# KiCad board EOutside.kicad_pcb (continued)
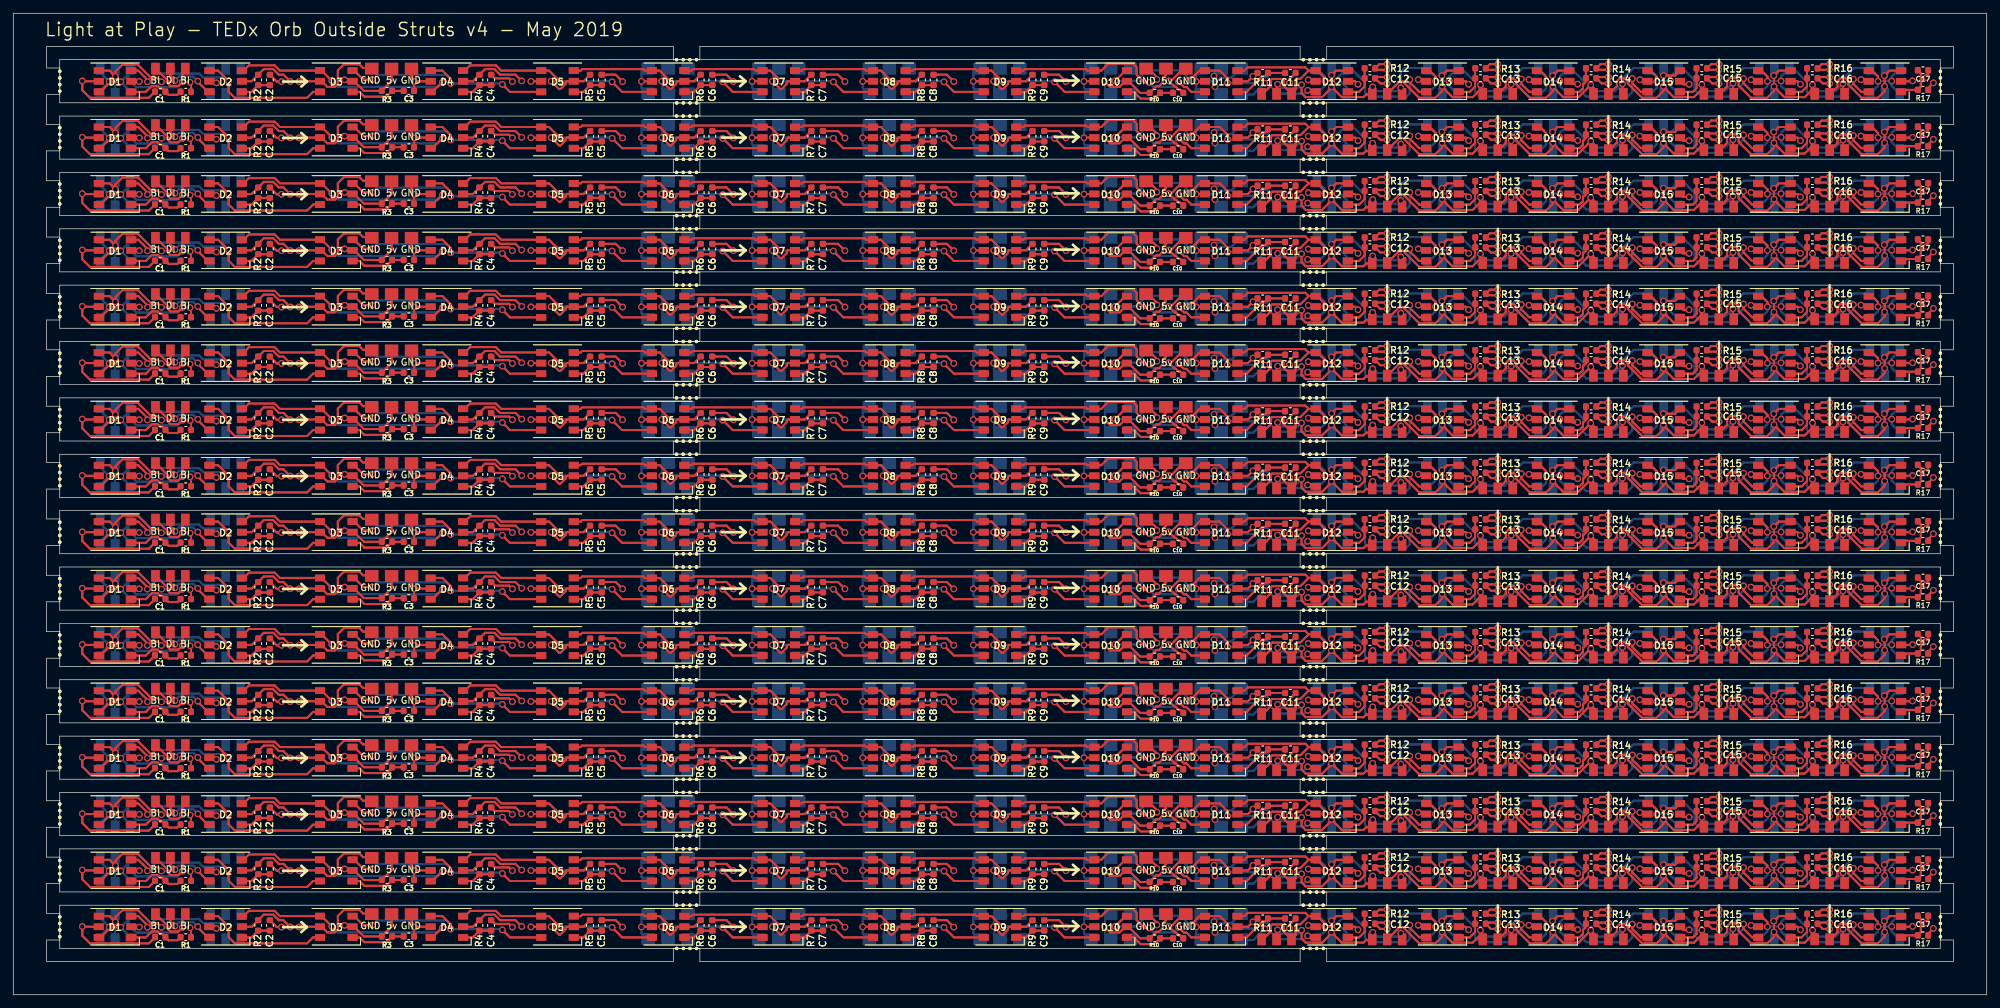
[diagram p0: board, top side]
## Routing (per net, layer and track width the routed paths; a pad name or vN(x,y) marks a point on that pad's centre or on a via; arc(x,y) is an arc through that point) (continued)
; 214.29,36.46 213.39,37.35 ; 213.39,37.35 D13#30.4 213.39,37.35 ; 228.42,8.65 227.2,9.87 ; 228.42,8.65 227.2,9.87 ; 228.42,8.65 D14#29.6 228.42,8.65 ; 227.2,9.87 v1(227.2,10.58) 227.2,9.87 ; 228.42,17.15 D14#26.6 228.42,17.15 ; 228.42,17.15 227.2,18.37 ; 228.42,17.15 227.2,18.37 ; 227.2,18.37 v1(227.2,19.08) 227.2,18.37 ; 203.83,16.75 203.42,16.35 ; 203.83,16.75 204.75,16.75 ; 203.83,16.75 204.75,16.75 ; 203.83,16.75 203.42,16.35 ; 203.42,16.35 200.17,16.35 ; 203.42,16.35 200.17,16.35 ; 194.72,16.35 197.2,16.35 ; 194.72,16.35 194.1,16.97 ; 194.72,16.35 197.2,16.35 ; 194.72,16.35 194.1,16.97 ; 197.2,16.35 198.6,17.75 ; 197.2,16.35 198.6,17.75 ; 198.6,17.75 v1(198.6,17.92) ; 198.6,17.75 v1(198.6,17.92) ; v1(198.6,17.92) 199.1,17.42 ; v1(198.6,17.92) 199.1,17.42 ; 194.1,16.97 v1(194.1,18.23) 194.1,16.97 ; 190.33,18.13 v1(190.5,18.3) 190.33,18.13 ; 190.33,18.13 190.33,16.75 190.33,18.13 ; D12#25.3 201.37,20.35 D12#25.3 ; D12#25.3 199.31,20.35 ; D12#25.3 199.31,20.35 ; 199.31,20.35 199.12,20.16 ; 199.31,20.35 199.12,20.16 ; 199.12,20.16 v1(198.62,19.66) 199.12,20.16 ; 204.75,16.75 204.75,17.84 ; 204.75,16.75 204.75,17.84 ; 200.17,16.35 199.1,17.42 ; 200.17,16.35 199.1,17.42 ; 209.05,17.06 v1(209.05,17.76) 209.05,17.06 ; 209.05,17.06 209.05,16.95 ; 209.05,17.06 209.05,16.95 ; 209.05,16.95 209.25,16.75 209.05,16.95 ; 204.75,17.84 v1(204.81,17.9) 204.75,17.84 ; 214.29,19.46 213.39,20.35 ; 214.29,19.46 v1(214.29,18.75) 214.29,19.46 ; 214.29,19.46 213.39,20.35 ; 213.39,20.35 D13#26.4 213.39,20.35 ; 213.13,130.85 213.13,130.76 213.13,130.85 ; 213.13,122.35 213.13,122.26 213.13,122.35 ; 213.13,113.85 213.13,113.76 213.13,113.85 ; 213.13,139.35 213.13,139.26 213.13,139.35 ; 213.13,105.35 213.13,105.26 213.13,105.35 ; 213.13,96.85 213.13,96.76 213.13,96.85 ; 213.13,79.85 213.13,79.76 213.13,79.85 ; 213.13,88.35 213.13,88.26 213.13,88.35 ; 213.13,71.35 213.13,71.26 213.13,71.35 ; 213.13,62.85 213.13,62.76 213.13,62.85 ; 213.13,45.85 213.13,45.76 213.13,45.85 ; 213.13,54.35 213.13,54.26 213.13,54.35 ; 213.13,28.85 213.13,28.76 213.13,28.85 ; 213.13,11.85 213.13,11.76 213.13,11.85 ; 213.13,37.35 213.13,37.26 213.13,37.35 ; 213.13,20.35 213.13,20.26 213.13,20.35
  Bottom w0.3: 198.67,128.35 v1(198.6,128.42) ; 198.67,128.35 198.67,127.25 198.67,128.35 ; 198.67,128.35 v1(198.6,128.42) ; v1(198.6,128.42) 198.62,128.44 ; v1(198.6,128.42) 198.62,128.44 ; v1(198.62,130.16) 198.62,128.44 ; v1(198.62,130.16) 198.67,130.21 ; v1(198.62,130.16) 198.67,130.21 ; v1(198.62,130.16) 198.62,128.44 ; 193.6,128.23 v1(194.1,128.73) 193.6,128.23 ; 193.6,128.23 191.07,128.23 ; 193.6,128.23 191.07,128.23 ; 191.07,128.23 191,128.3 ; 191.07,128.23 191,128.3 ; 191,128.3 v1(190.5,128.8) 191,128.3 ; 198.67,130.21 198.67,131.3 198.67,130.21 ; 209.65,131.25 209.05,130.65 ; 209.65,131.25 213.08,131.25 209.65,131.25 ; 209.65,131.25 209.05,130.65 ; 209.05,130.65 v1(209.05,128.26) ; 209.05,130.65 v1(209.05,128.26) ; 205.45,127.76 208.55,127.76 ; 205.45,127.76 v1(204.81,128.4) 205.45,127.76 ; 205.45,127.76 208.55,127.76 ; 208.55,127.76 v1(209.05,128.26) ; 208.55,127.76 v1(209.05,128.26) ; 214.29,128.55 J9#35.2 214.29,128.55 ; 214.29,128.55 v1(214.29,129.25) ; 214.29,128.55 v1(214.29,129.25) ; v1(214.29,129.25) 214.33,129.29 ; v1(214.29,129.25) 214.29,129.95 ; v1(214.29,129.25) 214.29,129.95 ; v1(214.29,129.25) 214.33,129.29 ; 214.33,129.29 v1(216.35,129.29) ; 214.33,129.29 v1(216.35,129.29) ; v1(216.35,129.29) 216.35,129.97 ; v1(216.35,129.29) 216.35,128.53 ; v1(216.35,129.29) 216.35,128.53 ; v1(216.35,129.29) 216.35,129.97 ; 216.35,129.97 217.53,131.15 216.35,129.97 ; 216.35,128.53 217.53,127.35 216.35,128.53 ; 214.29,129.95 J9#36.2 214.29,129.95 ; 220.25,127.67 220.99,126.93 ; 220.25,127.67 220.25,129.11 ; 220.25,127.67 220.25,129.11 ; 220.25,127.67 220.99,126.93 ; 220.99,126.93 225.26,126.93 ; 220.99,126.93 225.26,126.93 ; 227.2,128.87 v1(227.2,129.58) 227.2,128.87 ; 227.2,128.87 225.26,126.93 ; 227.2,128.87 225.26,126.93 ; 218.06,131.3 217.58,131.3 218.06,131.3 ; 218.06,131.3 220.25,129.11 ; 218.06,131.3 220.25,129.11 ; 198.67,119.85 v1(198.6,119.92) ; 198.67,119.85 198.67,118.75 198.67,119.85 ; 198.67,119.85 v1(198.6,119.92) ; v1(198.6,119.92) 198.62,119.94 ; v1(198.6,119.92) 198.62,119.94 ; v1(198.62,121.66) 198.62,119.94 ; v1(198.62,121.66) 198.67,121.71 ; v1(198.62,121.66) 198.62,119.94 ; v1(198.62,121.66) 198.67,121.71 ; 193.6,119.73 v1(194.1,120.23) 193.6,119.73 ; 193.6,119.73 191.07,119.73 ; 193.6,119.73 191.07,119.73 ; 191.07,119.73 191,119.8 ; 191.07,119.73 191,119.8 ; 191,119.8 v1(190.5,120.3) 191,119.8 ; 198.67,121.71 198.67,122.8 198.67,121.71 ; 209.65,122.75 209.05,122.15 ; 209.65,122.75 213.08,122.75 209.65,122.75 ; 209.65,122.75 209.05,122.15 ; 209.05,122.15 v1(209.05,119.76) ; 209.05,122.15 v1(209.05,119.76) ; 205.45,119.26 208.55,119.26 ; 205.45,119.26 v1(204.81,119.9) 205.45,119.26 ; 205.45,119.26 208.55,119.26 ; 208.55,119.26 v1(209.05,119.76) ; 208.55,119.26 v1(209.05,119.76) ; 214.29,120.05 J9#37.2 214.29,120.05 ; 214.29,120.05 v1(214.29,120.75) ; 214.29,120.05 v1(214.29,120.75) ; v1(214.29,120.75) 214.33,120.79 ; v1(214.29,120.75) 214.29,121.45 ; v1(214.29,120.75) 214.29,121.45 ; v1(214.29,120.75) 214.33,120.79 ; 214.33,120.79 v1(216.35,120.79) ; 214.33,120.79 v1(216.35,120.79) ; v1(216.35,120.79) 216.35,121.47 ; v1(216.35,120.79) 216.35,120.03 ; v1(216.35,120.79) 216.35,121.47 ; v1(216.35,120.79) 216.35,120.03 ; 216.35,121.47 217.53,122.65 216.35,121.47 ; 216.35,120.03 217.53,118.85 216.35,120.03 ; 214.29,121.45 J9#39.2 214.29,121.45 ; 220.25,119.17 220.99,118.43 ; 220.25,119.17 220.25,120.61 ; 220.25,119.17 220.99,118.43 ; 220.25,119.17 220.25,120.61 ; 220.99,118.43 225.26,118.43 ; 220.99,118.43 225.26,118.43 ; 227.2,120.37 v1(227.2,121.08) 227.2,120.37 ; 227.2,120.37 225.26,118.43 ; 227.2,120.37 225.26,118.43 ; 218.06,122.8 217.58,122.8 218.06,122.8 ; 218.06,122.8 220.25,120.61 ; 218.06,122.8 220.25,120.61 ; 220.25,112.11 220.25,110.67 ; 220.25,112.11 218.06,114.3 ; 220.25,112.11 220.25,110.67 ; 220.25,112.11 218.06,114.3 ; 220.25,110.67 220.99,109.93 ; 220.25,110.67 220.99,109.93 ; 220.99,109.93 225.26,109.93 ; 220.99,109.93 225.26,109.93 ; 225.26,109.93 227.2,111.87 ; 225.26,109.93 227.2,111.87 ; 218.06,114.3 217.58,114.3 218.06,114.3 ; v1(214.29,112.25) 214.29,112.95 ; v1(214.29,112.25) 214.33,112.29 ; v1(214.29,112.25) 214.29,111.55 ; v1(214.29,112.25) 214.33,112.29 ; v1(214.29,112.25) 214.29,111.55 ; v1(214.29,112.25) 214.29,112.95 ; 214.29,112.95 J9#40.2 214.29,112.95 ; 227.2,111.87 v1(227.2,112.58) 227.2,111.87 ; 198.67,111.35 v1(198.6,111.42) ; 198.67,111.35 198.67,110.25 198.67,111.35 ; 198.67,111.35 v1(198.6,111.42) ; v1(198.6,111.42) 198.62,111.44 ; v1(198.6,111.42) 198.62,111.44 ; v1(216.35,112.29) 216.35,111.53 ; v1(216.35,112.29) 216.35,112.97 ; v1(216.35,112.29) 214.33,112.29 ; v1(216.35,112.29) 216.35,111.53 ; v1(216.35,112.29) 216.35,112.97 ; v1(216.35,112.29) 214.33,112.29 ; 216.35,111.53 217.53,110.35 216.35,111.53 ; 216.35,112.97 217.53,114.15 216.35,112.97 ; 214.29,111.55 J9#38.2 214.29,111.55 ; 209.05,113.65 v1(209.05,111.26) ; 209.05,113.65 209.65,114.25 ; 209.05,113.65 v1(209.05,111.26) ; 209.05,113.65 209.65,114.25 ; v1(209.05,111.26) 208.55,110.76 ; v1(209.05,111.26) 208.55,110.76 ; 209.65,114.25 213.08,114.25 209.65,114.25 ; 205.45,110.76 208.55,110.76 ; 205.45,110.76 v1(204.81,111.4) 205.45,110.76 ; 205.45,110.76 208.55,110.76 ; 198.67,113.21 198.67,114.3 198.67,113.21 ; 198.67,113.21 v1(198.62,113.16) ; 198.67,113.21 v1(198.62,113.16) ; v1(198.62,113.16) 198.62,111.44 ; v1(198.62,113.16) 198.62,111.44 ; 191.07,111.23 191,111.3 ; 191.07,111.23 193.6,111.23 ; 191.07,111.23 191,111.3 ; 191.07,111.23 193.6,111.23 ; 191,111.3 v1(190.5,111.8) 191,111.3 ; 193.6,111.23 v1(194.1,111.73) 193.6,111.23 ; 198.67,136.85 v1(198.6,136.92) ; 198.67,136.85 198.67,135.75 198.67,136.85 ; 198.67,136.85 v1(198.6,136.92) ; v1(198.6,136.92) 198.62,136.94 ; v1(198.6,136.92) 198.62,136.94 ; v1(198.62,138.66) 198.62,136.94 ; v1(198.62,138.66) 198.67,138.71 ; v1(198.62,138.66) 198.62,136.94 ; v1(198.62,138.66) 198.67,138.71 ; 193.6,136.73 v1(194.1,137.23) 193.6,136.73 ; 193.6,136.73 191.07,136.73 ; 193.6,136.73 191.07,136.73 ; 191.07,136.73 191,136.8 ; 191.07,136.73 191,136.8 ; 191,136.8 v1(190.5,137.3) 191,136.8 ; 198.67,138.71 198.67,139.8 198.67,138.71 ; 209.65,139.75 209.05,139.15 ; 209.65,139.75 213.08,139.75 209.65,139.75 ; 209.65,139.75 209.05,139.15 ; 209.05,139.15 v1(209.05,136.76) ; 209.05,139.15 v1(209.05,136.76) ; 205.45,136.26 208.55,136.26 ; 205.45,136.26 v1(204.81,136.9) 205.45,136.26 ; 205.45,136.26 208.55,136.26 ; 208.55,136.26 v1(209.05,136.76) ; 208.55,136.26 v1(209.05,136.76) ; 214.29,137.05 J9#34.2 214.29,137.05 ; 214.29,137.05 v1(214.29,137.75) ; 214.29,137.05 v1(214.29,137.75) ; v1(214.29,137.75) 214.33,137.79 ; v1(214.29,137.75) 214.29,138.45 ; v1(214.29,137.75) 214.29,138.45 ; v1(214.29,137.75) 214.33,137.79 ; 214.33,137.79 v1(216.35,137.79) ; 214.33,137.79 v1(216.35,137.79) ; v1(216.35,137.79) 216.35,138.47 ; v1(216.35,137.79) 216.35,137.03 ; v1(216.35,137.79) 216.35,137.03 ; v1(216.35,137.79) 216.35,138.47 ; 216.35,138.47 217.53,139.65 216.35,138.47 ; 216.35,137.03 217.53,135.85 216.35,137.03 ; 214.29,138.45 J9#33.2 214.29,138.45 ; 220.25,136.17 220.99,135.43 ; 220.25,136.17 220.25,137.61 ; 220.25,136.17 220.25,137.61 ; 220.25,136.17 220.99,135.43 ; 220.99,135.43 225.26,135.43 ; 220.99,135.43 225.26,135.43 ; 227.2,137.37 v1(227.2,138.08) 227.2,137.37 ; 227.2,137.37 225.26,135.43 ; 227.2,137.37 225.26,135.43 ; 218.06,139.8 217.58,139.8 218.06,139.8 ; 218.06,139.8 220.25,137.61 ; 218.06,139.8 220.25,137.61 ; 198.67,102.85 v1(198.6,102.92) ; 198.67,102.85 198.67,101.75 198.67,102.85 ; 198.67,102.85 v1(198.6,102.92) ; v1(198.6,102.92) 198.62,102.94 ; v1(198.6,102.92) 198.62,102.94 ; v1(198.62,104.66) 198.62,102.94 ; v1(198.62,104.66) 198.67,104.71 ; v1(198.62,104.66) 198.67,104.71 ; v1(198.62,104.66) 198.62,102.94 ; 193.6,102.73 v1(194.1,103.23) 193.6,102.73 ; 193.6,102.73 191.07,102.73 ; 193.6,102.73 191.07,102.73 ; 191.07,102.73 191,102.8 ; 191.07,102.73 191,102.8 ; 191,102.8 v1(190.5,103.3) 191,102.8 ; 198.67,104.71 198.67,105.8 198.67,104.71 ; 209.65,105.75 209.05,105.15 ; 209.65,105.75 213.08,105.75 209.65,105.75 ; 209.65,105.75 209.05,105.15 ; 209.05,105.15 v1(209.05,102.76) ; 209.05,105.15 v1(209.05,102.76) ; 205.45,102.26 208.55,102.26 ; 205.45,102.26 v1(204.81,102.9) 205.45,102.26 ; 205.45,102.26 208.55,102.26 ; 208.55,102.26 v1(209.05,102.76) ; 208.55,102.26 v1(209.05,102.76) ; 214.29,103.05 J9#52.2 214.29,103.05 ; 214.29,103.05 v1(214.29,103.75) ; 214.29,103.05 v1(214.29,103.75) ; v1(214.29,103.75) 214.33,103.79 ; v1(214.29,103.75) 214.29,104.45 ; v1(214.29,103.75) 214.29,104.45 ; v1(214.29,103.75) 214.33,103.79 ; 214.33,103.79 v1(216.35,103.79) ; 214.33,103.79 v1(216.35,103.79) ; v1(216.35,103.79) 216.35,104.47 ; v1(216.35,103.79) 216.35,103.03 ; v1(216.35,103.79) 216.35,104.47 ; v1(216.35,103.79) 216.35,103.03 ; 216.35,104.47 217.53,105.65 216.35,104.47 ; 216.35,103.03 217.53,101.85 216.35,103.03 ; 214.29,104.45 J9#59.2 214.29,104.45 ; 220.25,102.17 220.99,101.43 ; 220.25,102.17 220.25,103.61 ; 220.25,102.17 220.99,101.43 ; 220.25,102.17 220.25,103.61 ; 220.99,101.43 225.26,101.43 ; 220.99,101.43 225.26,101.43 ; 227.2,103.37 v1(227.2,104.08) 227.2,103.37 ; 227.2,103.37 225.26,101.43 ; 227.2,103.37 225.26,101.43 ; 218.06,105.8 217.58,105.8 218.06,105.8 ; 218.06,105.8 220.25,103.61 ; 218.06,105.8 220.25,103.61 ; 220.25,95.11 220.25,93.67 ; 220.25,95.11 218.06,97.3 ; 220.25,95.11 220.25,93.67 ; 220.25,95.11 218.06,97.3 ; 220.25,93.67 220.99,92.93 ; 220.25,93.67 220.99,92.93 ; 220.99,92.93 225.26,92.93 ; 220.99,92.93 225.26,92.93 ; 225.26,92.93 227.2,94.87 ; 225.26,92.93 227.2,94.87 ; 218.06,97.3 217.58,97.3 218.06,97.3 ; v1(214.29,95.25) 214.29,95.95 ; v1(214.29,95.25) 214.33,95.29 ; v1(214.29,95.25) 214.29,94.55 ; v1(214.29,95.25) 214.33,95.29 ; v1(214.29,95.25) 214.29,94.55 ; v1(214.29,95.25) 214.29,95.95 ; 214.29,95.95 J9#62.2 214.29,95.95 ; 227.2,94.87 v1(227.2,95.58) 227.2,94.87 ; 198.67,94.35 v1(198.6,94.42) ; 198.67,94.35 198.67,93.25 198.67,94.35 ; 198.67,94.35 v1(198.6,94.42) ; v1(198.6,94.42) 198.62,94.44 ; v1(198.6,94.42) 198.62,94.44 ; v1(216.35,95.29) 216.35,94.53 ; v1(216.35,95.29) 216.35,95.97 ; v1(216.35,95.29) 214.33,95.29 ; v1(216.35,95.29) 216.35,94.53 ; v1(216.35,95.29) 216.35,95.97 ; v1(216.35,95.29) 214.33,95.29 ; 216.35,94.53 217.53,93.35 216.35,94.53 ; 216.35,95.97 217.53,97.15 216.35,95.97 ; 214.29,94.55 J9#55.2 214.29,94.55 ; 209.05,96.65 v1(209.05,94.26) ; 209.05,96.65 209.65,97.25 ; 209.05,96.65 v1(209.05,94.26) ; 209.05,96.65 209.65,97.25 ; v1(209.05,94.26) 208.55,93.76 ; v1(209.05,94.26) 208.55,93.76 ; 209.65,97.25 213.08,97.25 209.65,97.25 ; 205.45,93.76 208.55,93.76 ; 205.45,93.76 v1(204.81,94.4) 205.45,93.76 ; 205.45,93.76 208.55,93.76 ; 198.67,96.21 198.67,97.3 198.67,96.21 ; 198.67,96.21 v1(198.62,96.16) ; 198.67,96.21 v1(198.62,96.16) ; v1(198.62,96.16) 198.62,94.44 ; v1(198.62,96.16) 198.62,94.44 ; 191.07,94.23 191,94.3 ; 191.07,94.23 193.6,94.23 ; 191.07,94.23 191,94.3 ; 191.07,94.23 193.6,94.23 ; 191,94.3 v1(190.5,94.8) 191,94.3 ; 193.6,94.23 v1(194.1,94.73) 193.6,94.23 ; v1(216.35,78.29) 216.35,77.53 ; v1(216.35,78.29) 216.35,78.97 ; v1(216.35,78.29) 214.33,78.29 ; v1(216.35,78.29) 216.35,77.53 ; v1(216.35,78.29) 216.35,78.97 ; v1(216.35,78.29) 214.33,78.29 ; 216.35,77.53 217.53,76.35 216.35,77.53 ; 216.35,78.97 217.53,80.15 216.35,78.97 ; 214.33,78.29 v1(214.29,78.25) ; 214.33,78.29 v1(214.29,78.25) ; v1(214.29,78.25) 214.29,77.55 ; v1(214.29,78.25) 214.29,78.95 ; v1(214.29,78.25) 214.29,78.95 ; v1(214.29,78.25) 214.29,77.55 ; 214.29,77.55 J9#50.2 214.29,77.55 ; 209.05,79.65 v1(209.05,77.26) ; 209.05,79.65 209.65,80.25 ; 209.05,79.65 v1(209.05,77.26) ; 209.05,79.65 209.65,80.25 ; v1(209.05,77.26) 208.55,76.76 ; v1(209.05,77.26) 208.55,76.76 ; 209.65,80.25 213.08,80.25 209.65,80.25 ; 205.45,76.76 208.55,76.76 ; 205.45,76.76 v1(204.81,77.4) 205.45,76.76 ; 205.45,76.76 208.55,76.76 ; 198.67,77.35 198.67,76.25 198.67,77.35 ; 198.67,77.35 v1(198.6,77.42) ; 198.67,77.35 v1(198.6,77.42) ; 198.67,79.21 198.67,80.3 198.67,79.21 ; 198.67,79.21 v1(198.62,79.16) ; 198.67,79.21 v1(198.62,79.16) ; v1(198.62,79.16) 198.62,77.44 ; v1(198.62,79.16) 198.62,77.44 ; 191.07,77.23 191,77.3 ; 191.07,77.23 193.6,77.23 ; 191.07,77.23 191,77.3 ; 191.07,77.23 193.6,77.23 ; 191,77.3 v1(190.5,77.8) 191,77.3 ; 193.6,77.23 v1(194.1,77.73) 193.6,77.23 ; 198.62,77.44 v1(198.6,77.42) ; 198.62,77.44 v1(198.6,77.42) ; 214.29,78.95 J9#56.2 214.29,78.95 ; 227.2,77.87 v1(227.2,78.58) 227.2,77.87 ; 227.2,77.87 225.26,75.93 ; 227.2,77.87 225.26,75.93 ; 220.25,76.67 220.99,75.93 ; 220.25,76.67 220.25,78.11 ; 220.25,76.67 220.25,78.11 ; 220.25,76.67 220.99,75.93 ; 220.99,75.93 225.26,75.93 ; 220.99,75.93 225.26,75.93 ; 220.25,78.11 218.06,80.3 ; 220.25,78.11 218.06,80.3 ; 218.06,80.3 217.58,80.3 218.06,80.3 ; 214.29,87.45 J9#51.2 214.29,87.45 ; 214.29,87.45 v1(214.29,86.75) ; 214.29,87.45 v1(214.29,86.75) ; v1(214.29,86.75) 214.29,86.05 ; v1(214.29,86.75) 214.33,86.79 ; v1(214.29,86.75) 214.29,86.05 ; v1(214.29,86.75) 214.33,86.79 ; 220.25,85.17 220.99,84.43 ; 220.25,85.17 220.25,86.61 ; 220.25,85.17 220.25,86.61 ; 220.25,85.17 220.99,84.43 ; 220.99,84.43 225.26,84.43 ; 220.99,84.43 225.26,84.43 ; 227.2,86.37 v1(227.2,87.08) 227.2,86.37 ; 227.2,86.37 225.26,84.43 ; 227.2,86.37 225.26,84.43 ; 218.06,88.8 217.58,88.8 218.06,88.8 ; 218.06,88.8 220.25,86.61 ; 218.06,88.8 220.25,86.61 ; 216.35,87.47 217.53,88.65 216.35,87.47 ; 216.35,87.47 v1(216.35,86.79) ; 216.35,87.47 v1(216.35,86.79) ; v1(216.35,86.79) 216.35,86.03 ; v1(216.35,86.79) 214.33,86.79 ; v1(216.35,86.79) 214.33,86.79 ; v1(216.35,86.79) 216.35,86.03 ; 216.35,86.03 217.53,84.85 216.35,86.03 ; 191.07,85.73 191,85.8 ; 191.07,85.73 193.6,85.73 ; 191.07,85.73 191,85.8 ; 191.07,85.73 193.6,85.73 ; 191,85.8 v1(190.5,86.3) 191,85.8 ; v1(198.62,87.66) 198.62,85.94 ; v1(198.62,87.66) 198.67,87.71 ; v1(198.62,87.66) 198.62,85.94 ; v1(198.62,87.66) 198.67,87.71 ; 198.62,85.94 v1(198.6,85.92) ; 198.62,85.94 v1(198.6,85.92) ; 198.67,85.85 v1(198.6,85.92) ; 198.67,85.85 198.67,84.75 198.67,85.85 ; 198.67,85.85 v1(198.6,85.92) ; 193.6,85.73 v1(194.1,86.23) 193.6,85.73 ; 198.67,87.71 198.67,88.8 198.67,87.71 ; 209.65,88.75 209.05,88.15 ; 209.65,88.75 213.08,88.75 209.65,88.75 ; 209.65,88.75 209.05,88.15 ; 209.05,88.15 v1(209.05,85.76) ; 209.05,88.15 v1(209.05,85.76) ; 205.45,85.26 208.55,85.26 ; 205.45,85.26 v1(204.81,85.9) 205.45,85.26 ; 205.45,85.26 208.55,85.26 ; 208.55,85.26 v1(209.05,85.76) ; 208.55,85.26 v1(209.05,85.76) ; 214.29,86.05 J9#49.2 214.29,86.05 ; 220.99,67.43 225.26,67.43 ; 220.99,67.43 220.25,68.17 ; 220.99,67.43 220.25,68.17 ; 220.99,67.43 225.26,67.43 ; 225.26,67.43 227.2,69.37 ; 225.26,67.43 227.2,69.37 ; 220.25,69.61 220.25,68.17 ; 220.25,69.61 218.06,71.8 ; 220.25,69.61 220.25,68.17 ; 220.25,69.61 218.06,71.8 ; 214.29,70.45 J9#73.2 214.29,70.45 ; 214.29,70.45 v1(214.29,69.75) ; 214.29,70.45 v1(214.29,69.75) ; v1(214.29,69.75) 214.29,69.05 ; v1(214.29,69.75) 214.33,69.79 ; v1(214.29,69.75) 214.29,69.05 ; v1(214.29,69.75) 214.33,69.79 ; 227.2,69.37 v1(227.2,70.08) 227.2,69.37 ; 218.06,71.8 217.58,71.8 218.06,71.8 ; v1(198.62,70.66) 198.62,68.94 ; v1(198.62,70.66) 198.67,70.71 ; v1(198.62,70.66) 198.67,70.71 ; v1(198.62,70.66) 198.62,68.94 ; 198.62,68.94 v1(198.6,68.92) ; 198.62,68.94 v1(198.6,68.92) ; v1(198.6,68.92) 198.67,68.85 ; v1(198.6,68.92) 198.67,68.85 ; 193.6,68.73 v1(194.1,69.23) 193.6,68.73 ; 193.6,68.73 191.07,68.73 ; 193.6,68.73 191.07,68.73 ; 198.67,68.85 198.67,67.75 198.67,68.85 ; 191.07,68.73 191,68.8 ; 191.07,68.73 191,68.8 ; 191,68.8 v1(190.5,69.3) 191,68.8 ; 198.67,70.71 198.67,71.8 198.67,70.71 ; 209.65,71.75 209.05,71.15 ; 209.65,71.75 213.08,71.75 209.65,71.75 ; 209.65,71.75 209.05,71.15 ; 209.05,71.15 v1(209.05,68.76) ; 209.05,71.15 v1(209.05,68.76) ; 205.45,68.26 208.55,68.26 ; 205.45,68.26 v1(204.81,68.9) 205.45,68.26 ; 205.45,68.26 208.55,68.26 ; 208.55,68.26 v1(209.05,68.76) ; 208.55,68.26 v1(209.05,68.76) ; 214.29,69.05 J9#66.2 214.29,69.05 ; 214.33,69.79 v1(216.35,69.79) ; 214.33,69.79 v1(216.35,69.79) ; v1(216.35,69.79) 216.35,70.47 ; v1(216.35,69.79) 216.35,69.03 ; v1(216.35,69.79) 216.35,70.47 ; v1(216.35,69.79) 216.35,69.03 ; 216.35,70.47 217.53,71.65 216.35,70.47 ; 216.35,69.03 217.53,67.85 216.35,69.03 ; v1(216.35,61.29) 216.35,60.53 ; v1(216.35,61.29) 216.35,61.97 ; v1(216.35,61.29) 214.33,61.29 ; v1(216.35,61.29) 216.35,60.53 ; v1(216.35,61.29) 216.35,61.97 ; v1(216.35,61.29) 214.33,61.29 ; 216.35,60.53 217.53,59.35 216.35,60.53 ; 216.35,61.97 217.53,63.15 216.35,61.97 ; 214.33,61.29 v1(214.29,61.25) ; 214.33,61.29 v1(214.29,61.25) ; v1(214.29,61.25) 214.29,60.55 ; v1(214.29,61.25) 214.29,61.95 ; v1(214.29,61.25) 214.29,61.95 ; v1(214.29,61.25) 214.29,60.55 ; 214.29,60.55 J9#65.2 214.29,60.55 ; 209.05,62.65 v1(209.05,60.26) ; 209.05,62.65 209.65,63.25 ; 209.05,62.65 v1(209.05,60.26) ; 209.05,62.65 209.65,63.25 ; v1(209.05,60.26) 208.55,59.76 ; v1(209.05,60.26) 208.55,59.76 ; 209.65,63.25 213.08,63.25 209.65,63.25 ; 205.45,59.76 208.55,59.76 ; 205.45,59.76 v1(204.81,60.4) 205.45,59.76 ; 205.45,59.76 208.55,59.76 ; 198.67,60.35 198.67,59.25 198.67,60.35 ; 198.67,60.35 v1(198.6,60.42) ; 198.67,60.35 v1(198.6,60.42) ; 198.67,62.21 198.67,63.3 198.67,62.21 ; 198.67,62.21 v1(198.62,62.16) ; 198.67,62.21 v1(198.62,62.16) ; v1(198.62,62.16) 198.62,60.44 ; v1(198.62,62.16) 198.62,60.44 ; 191.07,60.23 191,60.3 ; 191.07,60.23 193.6,60.23 ; 191.07,60.23 191,60.3 ; 191.07,60.23 193.6,60.23 ; 191,60.3 v1(190.5,60.8) 191,60.3 ; 193.6,60.23 v1(194.1,60.73) 193.6,60.23 ; 198.62,60.44 v1(198.6,60.42) ; 198.62,60.44 v1(198.6,60.42) ; 214.29,61.95 J9#74.2 214.29,61.95 ; 227.2,60.87 v1(227.2,61.58) 227.2,60.87 ; 227.2,60.87 225.26,58.93 ; 227.2,60.87 225.26,58.93 ; 220.25,59.67 220.99,58.93 ; 220.25,59.67 220.25,61.11 ; 220.25,59.67 220.25,61.11 ; 220.25,59.67 220.99,58.93 ; 220.99,58.93 225.26,58.93 ; 220.99,58.93 225.26,58.93 ; 220.25,61.11 218.06,63.3 ; 220.25,61.11 218.06,63.3 ; 218.06,63.3 217.58,63.3 218.06,63.3 ; v1(216.35,44.29) 216.35,43.53 ; v1(216.35,44.29) 216.35,44.97 ; v1(216.35,44.29) 214.33,44.29 ; v1(216.35,44.29) 216.35,43.53 ; v1(216.35,44.29) 216.35,44.97 ; v1(216.35,44.29) 214.33,44.29 ; 216.35,43.53 217.53,42.35 216.35,43.53 ; 216.35,44.97 217.53,46.15 216.35,44.97 ; 214.33,44.29 v1(214.29,44.25) ; 214.33,44.29 v1(214.29,44.25) ; v1(214.29,44.25) 214.29,43.55 ; v1(214.29,44.25) 214.29,44.95 ; v1(214.29,44.25) 214.29,44.95 ; v1(214.29,44.25) 214.29,43.55 ; 214.29,43.55 J9#75.2 214.29,43.55 ; 209.05,45.65 v1(209.05,43.26) ; 209.05,45.65 209.65,46.25 ; 209.05,45.65 v1(209.05,43.26) ; 209.05,45.65 209.65,46.25 ; v1(209.05,43.26) 208.55,42.76 ; v1(209.05,43.26) 208.55,42.76 ; 209.65,46.25 213.08,46.25 209.65,46.25 ; 205.45,42.76 208.55,42.76 ; 205.45,42.76 v1(204.81,43.4) 205.45,42.76 ; 205.45,42.76 208.55,42.76 ; 198.67,43.35 198.67,42.25 198.67,43.35 ; 198.67,43.35 v1(198.6,43.42) ; 198.67,43.35 v1(198.6,43.42) ; 198.67,45.21 198.67,46.3 198.67,45.21 ; 198.67,45.21 v1(198.62,45.16) ; 198.67,45.21 v1(198.62,45.16) ; v1(198.62,45.16) 198.62,43.44 ; v1(198.62,45.16) 198.62,43.44 ; 191.07,43.23 191,43.3 ; 191.07,43.23 193.6,43.23 ; 191.07,43.23 191,43.3 ; 191.07,43.23 193.6,43.23 ; 191,43.3 v1(190.5,43.8) 191,43.3 ; 193.6,43.23 v1(194.1,43.73) 193.6,43.23 ; 198.62,43.44 v1(198.6,43.42) ; 198.62,43.44 v1(198.6,43.42) ; 214.29,44.95 J9#70.2 214.29,44.95 ; 227.2,43.87 v1(227.2,44.58) 227.2,43.87 ; 227.2,43.87 225.26,41.93 ; 227.2,43.87 225.26,41.93 ; 220.25,42.67 220.99,41.93 ; 220.25,42.67 220.25,44.11 ; 220.25,42.67 220.25,44.11 ; 220.25,42.67 220.99,41.93 ; 220.99,41.93 225.26,41.93 ; 220.99,41.93 225.26,41.93 ; 220.25,44.11 218.06,46.3 ; 220.25,44.11 218.06,46.3 ; 218.06,46.3 217.58,46.3 218.06,46.3 ; 214.29,53.45 J9#67.2 214.29,53.45 ; 214.29,53.45 v1(214.29,52.75) ; 214.29,53.45 v1(214.29,52.75) ; v1(214.29,52.75) 214.29,52.05 ; v1(214.29,52.75) 214.33,52.79 ; v1(214.29,52.75) 214.29,52.05 ; v1(214.29,52.75) 214.33,52.79 ; 220.25,51.17 220.99,50.43 ; 220.25,51.17 220.25,52.61 ; 220.25,51.17 220.25,52.61 ; 220.25,51.17 220.99,50.43 ; 220.99,50.43 225.26,50.43 ; 220.99,50.43 225.26,50.43 ; 227.2,52.37 v1(227.2,53.08) 227.2,52.37 ; 227.2,52.37 225.26,50.43 ; 227.2,52.37 225.26,50.43 ; 218.06,54.8 217.58,54.8 218.06,54.8 ; 218.06,54.8 220.25,52.61 ; 218.06,54.8 220.25,52.61 ; 216.35,53.47 217.53,54.65 216.35,53.47 ; 216.35,53.47 v1(216.35,52.79) ; 216.35,53.47 v1(216.35,52.79) ; v1(216.35,52.79) 216.35,52.03 ; v1(216.35,52.79) 214.33,52.79 ; v1(216.35,52.79) 214.33,52.79 ; v1(216.35,52.79) 216.35,52.03 ; 216.35,52.03 217.53,50.85 216.35,52.03 ; 191.07,51.73 191,51.8 ; 191.07,51.73 193.6,51.73 ; 191.07,51.73 191,51.8 ; 191.07,51.73 193.6,51.73 ; 191,51.8 v1(190.5,52.3) 191,51.8 ; v1(198.62,53.66) 198.62,51.94 ; v1(198.62,53.66) 198.67,53.71 ; v1(198.62,53.66) 198.62,51.94 ; v1(198.62,53.66) 198.67,53.71 ; 198.62,51.94 v1(198.6,51.92) ; 198.62,51.94 v1(198.6,51.92) ; 198.67,51.85 v1(198.6,51.92) ; 198.67,51.85 198.67,50.75 198.67,51.85 ; 198.67,51.85 v1(198.6,51.92) ; 193.6,51.73 v1(194.1,52.23) 193.6,51.73 ; 198.67,53.71 198.67,54.8 198.67,53.71 ; 209.65,54.75 209.05,54.15 ; 209.65,54.75 213.08,54.75 209.65,54.75 ; 209.65,54.75 209.05,54.15 ; 209.05,54.15 v1(209.05,51.76) ; 209.05,54.15 v1(209.05,51.76) ; 205.45,51.26 208.55,51.26 ; 205.45,51.26 v1(204.81,51.9) 205.45,51.26 ; 205.45,51.26 208.55,51.26 ; 208.55,51.26 v1(209.05,51.76) ; 208.55,51.26 v1(209.05,51.76) ; 214.29,52.05 J9#69.2 214.29,52.05 ; 218.06,29.3 217.58,29.3 218.06,29.3 ; 218.06,29.3 220.25,27.11 ; 218.06,29.3 220.25,27.11 ; 220.25,27.11 220.25,25.67 ; 220.25,27.11 220.25,25.67 ; 220.25,25.67 220.99,24.93 ; 220.25,25.67 220.99,24.93 ; 220.99,24.93 225.26,24.93 ; 220.99,24.93 225.26,24.93 ; 225.26,24.93 227.2,26.87 ; 225.26,24.93 227.2,26.87 ; v1(214.29,27.25) 214.29,27.95 ; v1(214.29,27.25) 214.33,27.29 ; v1(214.29,27.25) 214.29,26.55 ; v1(214.29,27.25) 214.29,27.95 ; v1(214.29,27.25) 214.33,27.29 ; v1(214.29,27.25) 214.29,26.55 ; 214.29,27.95 J9#81.2 214.29,27.95 ; 227.2,26.87 v1(227.2,27.58) 227.2,26.87 ; 198.67,26.35 v1(198.6,26.42) ; 198.67,26.35 198.67,25.25 198.67,26.35 ; 198.67,26.35 v1(198.6,26.42) ; v1(198.6,26.42) 198.62,26.44 ; v1(198.6,26.42) 198.62,26.44 ; v1(216.35,27.29) 216.35,26.53 ; v1(216.35,27.29) 216.35,27.97 ; v1(216.35,27.29) 214.33,27.29 ; v1(216.35,27.29) 216.35,26.53 ; v1(216.35,27.29) 216.35,27.97 ; v1(216.35,27.29) 214.33,27.29 ; 216.35,26.53 217.53,25.35 216.35,26.53 ; 216.35,27.97 217.53,29.15 216.35,27.97 ; 214.29,26.55 J9#88.2 214.29,26.55 ; 209.05,28.65 v1(209.05,26.26) ; 209.05,28.65 209.65,29.25 ; 209.05,28.65 v1(209.05,26.26) ; 209.05,28.65 209.65,29.25 ; v1(209.05,26.26) 208.55,25.76 ; v1(209.05,26.26) 208.55,25.76 ; 209.65,29.25 213.08,29.25 209.65,29.25 ; 205.45,25.76 208.55,25.76 ; 205.45,25.76 v1(204.81,26.4) 205.45,25.76 ; 205.45,25.76 208.55,25.76 ; 198.67,28.21 198.67,29.3 198.67,28.21 ; 198.67,28.21 v1(198.62,28.16) ; 198.67,28.21 v1(198.62,28.16) ; v1(198.62,28.16) 198.62,26.44 ; v1(198.62,28.16) 198.62,26.44 ; 191.07,26.23 191,26.3 ; 191.07,26.23 193.6,26.23 ; 191.07,26.23 191,26.3 ; 191.07,26.23 193.6,26.23 ; 191,26.3 v1(190.5,26.8) 191,26.3 ; 193.6,26.23 v1(194.1,26.73) 193.6,26.23 ; v1(216.35,10.29) 216.35,9.53 ; v1(216.35,10.29) 216.35,10.97 ; v1(216.35,10.29) 214.33,10.29 ; v1(216.35,10.29) 216.35,9.53 ; v1(216.35,10.29) 216.35,10.97 ; v1(216.35,10.29) 214.33,10.29 ; 216.35,9.53 217.53,8.35 216.35,9.53 ; 216.35,10.97 217.53,12.15 216.35,10.97 ; 214.33,10.29 v1(214.29,10.25) ; 214.33,10.29 v1(214.29,10.25) ; v1(214.29,10.25) 214.29,9.55 ; v1(214.29,10.25) 214.29,10.95 ; v1(214.29,10.25) 214.29,9.55 ; v1(214.29,10.25) 214.29,10.95 ; 214.29,9.55 J9#91.2 214.29,9.55 ; 209.05,11.65 v1(209.05,9.26) ; 209.05,11.65 209.65,12.25 ; 209.05,11.65 v1(209.05,9.26) ; 209.05,11.65 209.65,12.25 ; v1(209.05,9.26) 208.55,8.76 ; v1(209.05,9.26) 208.55,8.76 ; 209.65,12.25 213.08,12.25 209.65,12.25 ; 205.45,8.76 208.55,8.76 ; 205.45,8.76 v1(204.81,9.4) 205.45,8.76 ; 205.45,8.76 208.55,8.76 ; 198.67,9.35 198.67,8.25 198.67,9.35 ; 198.67,9.35 v1(198.6,9.42) ; 198.67,9.35 v1(198.6,9.42) ; 198.67,11.21 198.67,12.3 198.67,11.21 ; 198.67,11.21 v1(198.62,11.16) ; 198.67,11.21 v1(198.62,11.16) ; v1(198.62,11.16) 198.62,9.44 ; v1(198.62,11.16) 198.62,9.44 ; 191.07,9.23 191,9.3 ; 191.07,9.23 193.6,9.23 ; 191.07,9.23 191,9.3 ; 191.07,9.23 193.6,9.23 ; 191,9.3 v1(190.5,9.8) 191,9.3 ; 193.6,9.23 v1(194.1,9.73) 193.6,9.23 ; 198.62,9.44 v1(198.6,9.42) ; 198.62,9.44 v1(198.6,9.42) ; 214.29,36.45 J9#89.2 214.29,36.45 ; 214.29,36.45 v1(214.29,35.75) ; 214.29,36.45 v1(214.29,35.75) ; v1(214.29,35.75) 214.29,35.05 ; v1(214.29,35.75) 214.33,35.79 ; v1(214.29,35.75) 214.33,35.79 ; v1(214.29,35.75) 214.29,35.05 ; 220.25,34.17 220.99,33.43 ; 220.25,34.17 220.25,35.61 ; 220.25,34.17 220.99,33.43 ; 220.25,34.17 220.25,35.61 ; 220.99,33.43 225.26,33.43 ; 220.99,33.43 225.26,33.43 ; 227.2,35.37 v1(227.2,36.08) 227.2,35.37 ; 227.2,35.37 225.26,33.43 ; 227.2,35.37 225.26,33.43 ; 218.06,37.8 217.58,37.8 218.06,37.8 ; 218.06,37.8 220.25,35.61 ; 218.06,37.8 220.25,35.61 ; 205.45,34.26 v1(204.81,34.9) 205.45,34.26 ; 205.45,34.26 208.55,34.26 ; 205.45,34.26 208.55,34.26 ; 208.55,34.26 v1(209.05,34.76) ; 208.55,34.26 v1(209.05,34.76) ; v1(209.05,34.76) 209.05,37.15 ; v1(209.05,34.76) 209.05,37.15 ; 209.05,37.15 209.65,37.75 ; 209.05,37.15 209.65,37.75 ; 209.65,37.75 213.08,37.75 209.65,37.75 ; 198.67,34.85 198.67,33.75 198.67,34.85 ; 198.67,34.85 v1(198.6,34.92) ; 198.67,34.85 v1(198.6,34.92) ; 198.67,36.71 198.67,37.8 198.67,36.71 ; 198.67,36.71 v1(198.62,36.66) ; 198.67,36.71 v1(198.62,36.66) ; v1(198.62,36.66) 198.62,34.94 ; v1(198.62,36.66) 198.62,34.94 ; 191.07,34.73 191,34.8 ; 191.07,34.73 193.6,34.73 ; 191.07,34.73 193.6,34.73 ; 191.07,34.73 191,34.8 ; 191,34.8 v1(190.5,35.3) 191,34.8 ; 193.6,34.73 v1(194.1,35.23) 193.6,34.73 ; 198.62,34.94 v1(198.6,34.92) ; 198.62,34.94 v1(198.6,34.92) ; 214.29,35.05 J9#86.2 214.29,35.05 ; 214.33,35.79 v1(216.35,35.79) ; 214.33,35.79 v1(216.35,35.79) ; 216.35,35.03 217.53,33.85 216.35,35.03 ; 216.35,35.03 v1(216.35,35.79) ; 216.35,35.03 v1(216.35,35.79) ; v1(216.35,35.79) 216.35,36.47 ; v1(216.35,35.79) 216.35,36.47 ; 216.35,36.47 217.53,37.65 216.35,36.47 ; 220.25,10.11 220.25,8.67 ; 220.25,10.11 218.06,12.3 ; 220.25,10.11 220.25,8.67 ; 220.25,10.11 218.06,12.3 ; 220.25,8.67 220.99,7.93 ; 220.25,8.67 220.99,7.93 ; 220.99,7.93 225.26,7.93 ; 220.99,7.93 225.26,7.93 ; 225.26,7.93 227.2,9.87 ; 225.26,7.93 227.2,9.87 ; 218.06,12.3 217.58,12.3 218.06,12.3 ; 214.29,19.45 J9#87.2 214.29,19.45 ; 214.29,19.45 v1(214.29,18.75) ; 214.29,19.45 v1(214.29,18.75) ; v1(214.29,18.75) 214.29,18.05 ; v1(214.29,18.75) 214.33,18.79 ; v1(214.29,18.75) 214.29,18.05 ; v1(214.29,18.75) 214.33,18.79 ; 220.25,17.17 220.99,16.43 ; 220.25,17.17 220.25,18.61 ; 220.25,17.17 220.25,18.61 ; 220.25,17.17 220.99,16.43 ; 220.99,16.43 225.26,16.43 ; 220.99,16.43 225.26,16.43 ; 227.2,18.37 v1(227.2,19.08) 227.2,18.37 ; 227.2,18.37 225.26,16.43 ; 227.2,18.37 225.26,16.43 ; 218.06,20.8 217.58,20.8 218.06,20.8 ; 218.06,20.8 220.25,18.61 ; 218.06,20.8 220.25,18.61 ; 216.35,19.47 217.53,20.65 216.35,19.47 ; 216.35,19.47 v1(216.35,18.79) ; 216.35,19.47 v1(216.35,18.79) ; v1(216.35,18.79) 216.35,18.03 ; v1(216.35,18.79) 214.33,18.79 ; v1(216.35,18.79) 214.33,18.79 ; v1(216.35,18.79) 216.35,18.03 ; 216.35,18.03 217.53,16.85 216.35,18.03 ; 191.07,17.73 191,17.8 ; 191.07,17.73 193.6,17.73 ; 191.07,17.73 191,17.8 ; 191.07,17.73 193.6,17.73 ; 191,17.8 v1(190.5,18.3) 191,17.8 ; v1(198.62,19.66) 198.62,17.94 ; v1(198.62,19.66) 198.67,19.71 ; v1(198.62,19.66) 198.62,17.94 ; v1(198.62,19.66) 198.67,19.71 ; 198.62,17.94 v1(198.6,17.92) ; 198.62,17.94 v1(198.6,17.92) ; 198.67,17.85 v1(198.6,17.92) ; 198.67,17.85 198.67,16.75 198.67,17.85 ; 198.67,17.85 v1(198.6,17.92) ; 193.6,17.73 v1(194.1,18.23) 193.6,17.73 ; 198.67,19.71 198.67,20.8 198.67,19.71 ; 209.65,20.75 209.05,20.15 ; 209.65,20.75 213.08,20.75 209.65,20.75 ; 209.65,20.75 209.05,20.15 ; 209.05,20.15 v1(209.05,17.76) ; 209.05,20.15 v1(209.05,17.76) ; 205.45,17.26 208.55,17.26 ; 205.45,17.26 v1(204.81,17.9) 205.45,17.26 ; 205.45,17.26 208.55,17.26 ; 208.55,17.26 v1(209.05,17.76) ; 208.55,17.26 v1(209.05,17.76) ; 214.29,18.05 J9#83.2 214.29,18.05 ; 214.29,10.95 J9#82.2 214.29,10.95 ; 227.2,9.87 v1(227.2,10.58) 227.2,9.87 ; 213.08,131.18 213.08,130.81 213.08,131.18 ; 213.08,122.68 213.08,122.31 213.08,122.68 ; 213.08,114.18 213.08,113.81 213.08,114.18 ; 213.08,139.68 213.08,139.31 213.08,139.68 ; 213.08,105.68 213.08,105.31 213.08,105.68 ; 213.08,97.18 213.08,96.81 213.08,97.18 ; 213.08,80.18 213.08,79.81 213.08,80.18 ; 213.08,88.68 213.08,88.31 213.08,88.68 ; 213.08,71.68 213.08,71.31 213.08,71.68 ; 213.08,63.18 213.08,62.81 213.08,63.18 ; 213.08,46.18 213.08,45.81 213.08,46.18 ; 213.08,54.68 213.08,54.31 213.08,54.68 ; 213.08,29.18 213.08,28.81 213.08,29.18 ; 213.08,12.18 213.08,11.81 213.08,12.18 ; 213.08,37.68 213.08,37.31 213.08,37.68 ; 213.08,20.68 213.08,20.31 213.08,20.68
